# Altium PCB main.PcbDoc (continued)
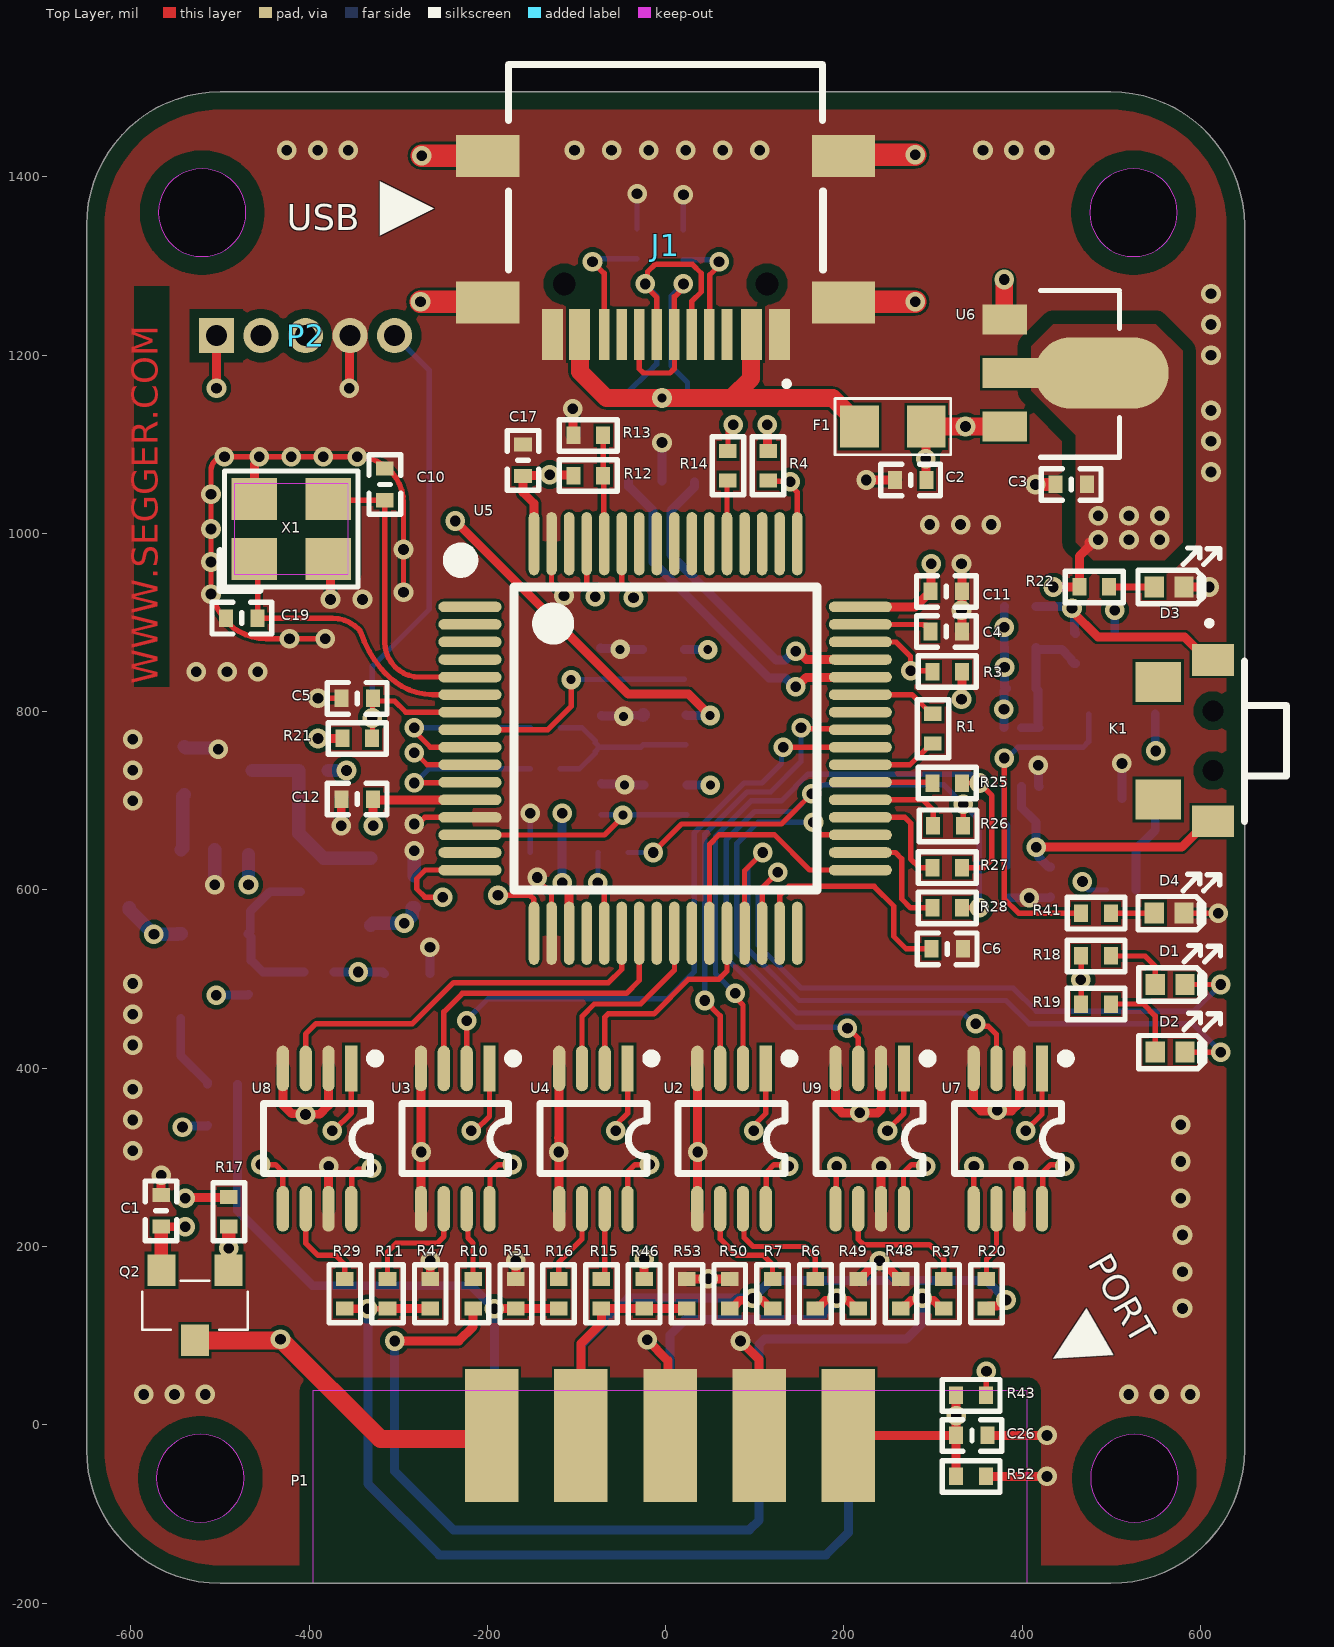
[diagram p0: Top Layer view]
## Footprints (in the part's own frame and the unit in brackets; to place one, negate y for a bottom-side part, rotate by r counter-clockwise, add the part's x,y. Pads: shape width x height; smd on the part's side, far side on the other; paste and mask are expansions set on the pad)
3225-4P [mm] "3.2*2.5*0.7mm(长宽高)"
  rect 1.3x1.2 smd: 1(-1.05,-0.85) 2(1.05,-0.85) 3(1.05,0.85) 4(-1.05,0.85)
  silkscreen extent -2.03,-1.75 1.91,1.65, body extent -1.6,-1.25 1.6,1.25, height 0.7
C0402 [mm] "无极性贴片电容"
  rect 0.4x0.5 smd: 1(-0.45,0) 2(0.45,0)
  silkscreen extent -0.85,-0.45 0.85,0.45, body extent -0.5,-0.26 0.5,0.26, height 0.54
C0603 [mil] "无极性贴片电容"
  rect 30x30 smd: 1(-25.59,0) 2(25.59,0)
  silkscreen extent -51,-26 51,26, body extent -31,-16 32,16, height 33
FUSE_0805 [mm] "贴片保险电阻0805封装"
  rect 1.1x1.2 smd paste-2: 1(-0.95,0) 2(0.95,0)
  silkscreen extent -1.65,-0.8 1.65,0.8, body extent -1.07,-0.67 1.08,0.68, height 0.66
HDR-1.27-1X5 [mm] "Connector; Header; 5 Position"
  rect 1x1 hole 0.6: 1(0,0)
  round 1 hole 0.6: 2(1.27,0) 3(2.54,0) 4(3.81,0) 5(5.08,0)
  body extent -0.81,-1.1 5.92,1.1, height 2.48
IDC10P-2R54-WS [mil]
  rect 60x149.61 smd: 1(-205,0) 3(-105,0) 5(-5,0) 7(95,0) 9(195,0)
  rect 60x149.61 smd far side: 2(-205,0) 4(-105,0) 6(-5,0) 8(95,0) 10(195,0)
  body extent -405,-50 395,429, height 168
LED-0402 [mm]
  rect 0.55x0.6 smd: A(-0.425,0) C(0.425,0)
  silkscreen extent -0.89,-0.48 1.44,1.11, body extent -0.5,-0.25 0.51,0.25, height 0.45
LQFP64-0R5-10X10 [mm] "64脚，体宽10x10mm，脚距0.5mm"
  oval 0.3x1.8 smd: 1(-3.75,-5.575) 2(-3.25,-5.575) 3(-2.75,-5.575) 4(-2.25,-5.575) 5(-1.75,-5.575) 6(-1.25,-5.575) 7(-0.75,-5.575) 8(-0.25,-5.575) 9(0.25,-5.575) 10(0.75,-5.575) 11(1.25,-5.575) 12(1.75,-5.575) 13(2.25,-5.575) 14(2.75,-5.575) 15(3.25,-5.575) 16(3.75,-5.575) 33(3.75,5.55) 34(3.25,5.55) 35(2.75,5.55) 36(2.25,5.55) 37(1.75,5.55) 38(1.25,5.55) 39(0.75,5.55) 40(0.25,5.55) 41(-0.25,5.55) 42(-0.75,5.55) 43(-1.25,5.55) 44(-1.75,5.55) 45(-2.25,5.55) 46(-2.75,5.55) 47(-3.25,5.55) 48(-3.75,5.55)
  oval 1.8x0.3 smd: 17(5.55,-3.75) 18(5.55,-3.25) 19(5.55,-2.75) 20(5.55,-2.25) 21(5.55,-1.75) 22(5.55,-1.25) 23(5.55,-0.75) 24(5.55,-0.25) 25(5.55,0.25) 26(5.55,0.75) 27(5.55,1.25) 28(5.55,1.75) 29(5.55,2.25) 30(5.55,2.75) 31(5.55,3.25) 32(5.55,3.75) 49(-5.55,3.75) 50(-5.55,3.25) 51(-5.55,2.75) 52(-5.55,2.25) 53(-5.55,1.75) 54(-5.55,1.25) 55(-5.55,0.75) 56(-5.55,0.25) 57(-5.55,-0.25) 58(-5.55,-0.75) 59(-5.55,-1.25) 60(-5.55,-1.75) 61(-5.55,-2.25) 62(-5.55,-2.75) 63(-5.55,-3.25) 64(-5.55,-3.75)
  silkscreen extent -5.33,-6.09 4.32,4.32, body extent -5.98,-5.96 6.03,6.05, height 1.45
R0402 [mm] "1/16W贴片电阻"
  rect 0.4x0.5 smd: 1(-0.4,0) 2(0.45,0)
  silkscreen extent -0.8,-0.45 0.85,0.45, body extent -0.5,-0.25 0.5,0.25, height 0.3
SOT23-3 [mm] "贴片MOS的SOT-23封装"
  rect 0.9x0.8 smd: 1(1,-0.95) 2(1,0.95) 3(-1,0)
  silkscreen extent -0.7,-1.5 0.7,1.5, body extent -1.25,-1.5 1.25,1.5, height 1.09
SOT23-5 [mm] "SOT23, 5-Leads, Body 2.9x1.6mm, Pitch 0.95mm, IPC Medium Density"
  rect 1.05x0.6 smd: 1(-1.2,0.95) 2(-1.2,0) 3(-1.2,-0.95) 4(1.2,-0.95) 5(1.2,0.95)
  silkscreen extent -1.32,-1.55 0.3,1.93, body extent -1.4,-1.47 1.4,1.53, height 1.15
SOT23-6 [mm] "SOT-23, 6-Leads, Body 2.90x1.60mm, Pitch 0.95mm, IPC High Density"
  rect 0.9x0.6 smd: 1(-1.2,0.95) 2(-1.2,0) 3(-1.2,-0.95) 4(1.2,-0.95) 5(1.2,0) 6(1.2,0.95)
  silkscreen extent -1.32,-1.55 0.35,1.93, body extent -1.41,-1.5 1.4,1.5, height 1.15
SOT89 [mil]
  rect 34.02x50 smd: 1(-60,-54.47) 3(60,-54.47)
  oval 80x150 smd: 2(0,54.47)
  rect 34x100 smd: 2(0,-29.47)
  silkscreen extent -93,-14 94,74, body extent -90,-71 91,99, height 63
SOT323 [mm]
  rect 0.6x1 smd: 1(-0.686,-0.965) 2(0.686,-0.965) 3(0,0.965)
  silkscreen extent -1.12,-0.89 1.12,0.81, body extent -1.15,-1.07 1.05,1.17, height 1.1
SOT666 [mm]
  rect 0.475x0.3 smd: 1(-0.838,0.5) 2(-0.838,0) 3(-0.838,-0.5) 4(0.838,-0.5) 5(0.838,0) 6(0.838,0.5)
  silkscreen extent -0.9,-0.8 0.25,0.93, body extent -0.84,-0.8 0.76,0.8, height 0.59
SSOP8 [mm] "SSOP-8_L3.0-W3.0-P0.65       淘宝ID:黄晶宝石"
  rect 1.3x0.35 smd: 1(-2,0.975)
  oval 1.3x0.35 smd: 2(-2,0.325) 3(-2,-0.325) 4(-2,-0.975) 5(2,-0.975) 6(2,-0.325) 7(2,0.325) 8(2,0.975)
  silkscreen extent -2.42,-1.52 1,1.78, body extent -1.9,-1.45 2.1,1.45, height 1.2
SW4-3X6X3R5-WS [mm]
  rect 0.9x1.2 smd: 1(-2.3,0) 2(2.3,0)
  rect 1.15x1.3 smd: 3(-1.675,-1.55) 4(1.675,-1.55)
  round 0.3 hole 0.6 unplated: MH1(-0.85,0) MH2(0.85,0)
  silkscreen extent -3.4,-0.15 2.3,2.1
USB-C-16-SM [mm]
  rect 1.8x1.2 smd: 0(-5.07,0.53) 0(-5.07,-3.65) 0(5.07,0.53) 0(5.07,-3.65)
  rect 0.3x1.45 smd: A1(-3.4,1.446) A4(-2.6,1.446) A5(-1.25,1.446) A6(-0.25,1.446) A7(0.25,1.446) A8(1.25,1.446) A9(2.6,1.445) A12(3.375,1.446) B1(3.075,1.446) B4(2.3,1.446) B5(1.75,1.446) B6(0.75,1.446) B7(-0.75,1.446) B8(-1.75,1.446) B9(-2.3,1.446) B12(-3.1,1.445)
  round 0.325 hole 0.65 unplated: MH1(-2.89,0) MH2(2.89,0)
  silkscreen extent -4.5,-6.25 4.47,2.9

## Part data
C1 C5 C18 C20 C22 C24 C26: library part E01C01711, "CAP CER 0.1uF 25V X7R 0402", MPN=GCM155R71E104KE02D, Power=25V, Temperature="-55°C ~ 125°C", Tolerance=±10%, Availability="37,500 - 立即发货", Component=Standard, ComponentLink1Description=Datasheet, ComponentLink1URL=https://search.murata.co.jp/Ceramy/image/img/A01X/G101/ENG/GCM155R71E104KE02-01.pdf, Distributor=Digikey, MFG=MURATA, Part Number=E01C01711, Part Type=Ceramic, Price=0.78, Updated Time=2019/5/21
C2 C3 C25: library part E01C02000, "CAP CER 10uF 6.3V X5R 0402", MPN=GRM155R60J106ME15D, Power=6.3V, Temperature="-55°C ~ 85°C", Tolerance=±20%, Availability="1,945,937 - 立即发货", Component=Standard, ComponentLink1Description=Datasheet, ComponentLink1URL=https://www.murata.com/~/media/webrenewal/support/library/catalog/products/capacitor/mlcc/c02e.ashx?la=en-us, Distributor=Digikey, MFG=MURATA, Part Number=E01C02000, Part Type=Ceramic, Price=1.794, Updated Time=2019/5/21
C4 C6: library part E01C01942, "CAP CER 4.7uF 10V X5R 0402", MPN=GRM155R61A475MEAAD, Power=10V, Temperature="-55°C ~ 85°C", Tolerance=±20%, Availability="299,667 - 立即发货", Component=Standard, ComponentLink1Description=Datasheet, ComponentLink1URL=https://search.murata.co.jp/Ceramy/image/img/A01X/G101/ENG/GRM155R61A475MEAA-01.pdf, Distributor=Digikey, MFG=MURATA, Part Number=E01C01942, Part Type=Ceramic, Price=1.794, Updated Time=2019/5/21
C7 C8 C9 C11 C12 C16 C17 C23: library part E01C01713, "CAP CER 0.1uF 16V X7R 0402", MPN=GCM155R71C104JA55D, Power=16V, Temperature="-55°C ~ 125°C", Tolerance=±5%, Availability="366,822 - 立即发货", Component=Standard, ComponentLink1Description=Datasheet, ComponentLink1URL=https://search.murata.co.jp/Ceramy/image/img/A01X/G101/ENG/GCM155R71C104JA55-01.pdf, Distributor=Digikey, MFG=MURATA, Part Number=E01C01713, Part Type=Ceramic, Price=0.78, Updated Time=2019/5/21
C10 C19: library part E01C00842, "CAP CER 10pF 50V C0G/NP0 0402", MPN=GCM1555C1H100JA16D, Power=50V, Temperature="-55°C ~ 125°C", Tolerance=±5%, Availability="934,643 - 立即发货", Component=Standard, ComponentLink1Description=Datasheet, ComponentLink1URL=https://www.murata.com/~/media/webrenewal/support/library/catalog/products/capacitor/mlcc/c03e.ashx?la=en-us, Distributor=Digikey, MFG=MURATA, Part Number=E01C00842, Part Type=Ceramic, Price=0.78, Updated Time=2019/5/21
C21: library part E01C01812, "CAP CER 1uF 6.3V X5R 0402", MPN=GRM152R60J105ME15D, Power=6.3V, Temperature="-55°C ~ 85°C", Tolerance=±20%, Availability="1,417,448 - 立即发货", Component=Standard, ComponentLink1Description=Datasheet, ComponentLink1URL=https://search.murata.co.jp/Ceramy/image/img/A01X/G101/ENG/GRM152R60J105ME15-01.pdf, Distributor=Digikey, MFG=MURATA, Part Number=E01C01812, Part Type=Ceramic, Price=1.95, Updated Time=2019/5/21
C27: library part E01C01977, "CAP CER 10uF 16V X5R 0603", MPN=GRM188R61C106KAALD, Power=16V, Temperature="-55°C ~ 85°C", Tolerance=±10%, Availability="19,377 - 立即发货", Component=Standard, ComponentLink1Description=Datasheet, ComponentLink1URL=https://search.murata.co.jp/Ceramy/image/img/A01X/G101/ENG/GRM188R61C106KAAL-01.pdf, Distributor=Digikey, MFG=MURATA, Part Number=E01C01977, Part Type=Ceramic, Price=3.042, Updated Time=2019/5/21
D1 D4: library part E01D00051, "SMD,发光颜色:红色;功率:60mW;正向电流:5mA;主波长:617.5nm~633.5nm;", Availability=A, Component=Standard, ComponentLink1Description=Datasheet, Distributor=Mouser, MFG=MEIHUA, MPN=MHT136CRCT, Part Number=E01D00051, Part Type=LED
D2 D3: library part E01D00010, "SMD,发光颜色:翠绿色;", Availability=A, Component=Standard, ComponentLink1Description=Datasheet, Distributor=Szlcsc, MFG=YONGYU, MPN=SZYY0402G, Part Number=E01D00010, Part Type=LED
F1: library part E01F00003, "0805 0.5A 6V PTC FUSE", Power=6V, Availability=A, Component=Standard, ComponentLink1Description=Datasheet, ComponentLink1URL=https://item.szlcsc.com/343063.html, Distributor=Taobao, MFG=JK, MPN=JK-SMD0805-050, Part Number=E01F00003, Part Type=Fuse, Price=0.02
J1: library part E04C00183, "SMD,Type_C母座；16P；卧贴;", Availability=A, Component=Standard, ComponentLink1Description=Datasheet, Distributor=Assmann, MFG="SHOU HAN", MPN="TYPE-C 16P QTWT", Part Number=E04C00183, Part Type=USB, Type=Famale
K1: library part E01S00008, "SMD,轻触开关 3*6*3.5侧按 直径0.6定位柱 白体黑头", Angle=180°, Availability=A, Component=Standard, MFG="SHOU HAN(首韩)", MPN=TS36CA-0.6, Part Number=E01S00008, Part Type=Switch
P1: library part E04C00186, "SMD.2.54mm简牛座;卧贴;排数:2;每排PIN数:5", Availability=A, Component=Standard, Distributor=/, MFG=/, Part Number=E04C00186, Part Type=Headers, Pitch=2.54mm, Type=Famale
P2: library part E04C00187, "5脚排针", Availability=A, Component=Standard, Manufacture="Device Name", Part Number=E04C00187, Part Type=Headers, Sch Name="Header 5"
Q1 Q5: library part E01T00045, "SMD,预偏置NPN;集射极击穿电压(Vceo):50V;集电极电流(Ic):100mA;功率(Pd):200mW;集电极截止电流(Icbo):1uA;直流电流增益(Hfe@Ic,Vce):100@10mA,5V;", Availability=A, Component=Standard, MFG=Nexperia, MPN=PDTC143ZU, Part Number=E01T00045, Part Type=NPN, Updated Time=2024:04:06
Q2 Q4: library part E01T00044, "SMD,漏源电压(Vdss):30V;连续漏极电流(Id):1.4A;功率(Pd):350mW;导通电阻(RDS(on)@Vgs,Id):150mΩ@10V,1.2A;阈值电压(Vgs(th)@Id):1.4V@250uA", Temperature=-55℃~+150℃, Availability=A, Component=Standard, MFG=AOS, MPN=AO7401, Part Number=E01T00044, Part Type=PMOS
Q3: library part E01T00046, "SMD,类型:N沟道+P沟道;漏源电压(Vdss):30V;连续漏极电流(Id):400mA；220mA;功率(Pd):500mW;导通电阻(RDS(on)@Vgs,Id):1.4Ω@350mA,4.5V;阈值电压(Vgs(th)@Id):1.1V@250uA;", Temperature=-55℃~+150℃, Availability=A, Component=Standard, MFG=Nexperia, MPN=NX3008CBKV,115, Part Number=E01T00046, Part Type=PMOS_NMOS, Updated Time=2024:04:07
R1: library part E01R01244, "RES SMD 470 OHM 5% 1/16W 0402", MPN=RC0402JR-07470RL, Power=0.063W，1/16W, Temperature="-55°C ~ 155°C", Tolerance=±5%, Availability="2,916,978 - 立即发货", Component=Standard, ComponentLink1Description=Datasheet, ComponentLink1URL=http://www.yageo.com/documents/recent/PYu-RC_Group_51_RoHS_L_10.pdf, Distributor=Digikey, MFG=Yageo, Part Number=E01R01244, Part Type=RES, Price=0.78, Updated Time=2019/5/21
R2 R12 R13 R17 R21 R44 R45: library part E01R01984, "RES SMD 10K OHM 1% 1/16W 0402", MPN=RC0402FR-0710KL, Power=0.063W，1/16W, Temperature="-55°C ~ 155°C", Tolerance=±1%, Availability="92,091,353 - 立即发货", Component=Standard, ComponentLink1Description=Datasheet, ComponentLink1URL=http://www.yageo.com/documents/recent/PYu-RC_Group_51_RoHS_L_10.pdf, Distributor=Digikey, MFG=Yageo, Part Number=E01R01984, Part Type=RES, Price=0.78, Updated Time=2019/5/21
R3 R4 R8 R9 R18 R19 R22 R39 R40 R46 R47 R48 R49 R50 R51 R52 R53: library part E01R01430, "RES SMD 1K OHM 1% 1/16W 0402", MPN=RC0402FR-071KL, Power=0.063W，1/16W, Temperature="-55°C ~ 155°C", Tolerance=±1%, Availability="68,900,848 - 立即发货", Component=Standard, ComponentLink1Description=Datasheet, ComponentLink1URL=http://www.yageo.com/documents/recent/PYu-RC_Group_51_RoHS_L_10.pdf, Distributor=Digikey, MFG=Yageo, Part Number=E01R01430, Part Type=RES, Price=0.78, Updated Time=2019/5/21
R5: library part E01R00720, "RES SMD 51 OHM 1% 1/16W 0402", MPN=RC0402FR-0751RL, Power=0.063W，1/16W, Temperature="-55°C ~ 155°C", Tolerance=±1%, Availability="2,118,531 - 立即发货", Component=Standard, ComponentLink1Description=Datasheet, ComponentLink1URL=http://www.yageo.com/documents/recent/PYu-RC_Group_51_RoHS_L_10.pdf, Distributor=Digikey, MFG=Yageo, Part Number=E01R00720, Part Type=RES, Price=0.78, Updated Time=2019/5/21
R6 R7 R10 R11 R15 R16 R20 R29 R37: library part E01R00875, "RES SMD 100 OHM 5% 1/16W 0402", MPN=RC0402JR-07100RL, Power=0.063W，1/16W, Temperature="-55°C ~ 155°C", Tolerance=±5%, Availability="7,389,562 - 立即发货", Component=Standard, ComponentLink1Description=Datasheet, ComponentLink1URL=http://www.yageo.com/documents/recent/PYu-RC_Group_51_RoHS_L_10.pdf, Distributor=Digikey, MFG=Yageo, Part Number=E01R00875, Part Type=RES, Price=0.78, Updated Time=2019/5/21
R14 R23 R24 R25 R26 R27 R28 R33: library part E01R00510, "RES SMD 22 OHM 1% 1/16W 0402", MPN=RC0402FR-0722RL, Power=0.063W，1/16W, Temperature="-55°C ~ 155°C", Tolerance=±1%, Availability="30,606,384 - 立即发货", Component=Standard, ComponentLink1Description=Datasheet, ComponentLink1URL=http://www.yageo.com/documents/recent/PYu-RC_Group_51_RoHS_L_10.pdf, Distributor=Digikey, MFG=Yageo, Part Number=E01R00510, Part Type=RES, Price=0.78, Updated Time=2019/5/21
R30 R31 R32 R34 R35 R36: library part E01R01988, "RES SMD 10.2K OHM 1% 1/16W 0402", MPN=RC0402FR-0710K2L, Power=0.063W，1/16W, Temperature="-55°C ~ 155°C", Tolerance=±1%, Availability="894,412 - 立即发货", Component=Standard, ComponentLink1Description=Datasheet, ComponentLink1URL=http://www.yageo.com/documents/recent/PYu-RC_Group_51_RoHS_L_10.pdf, Distributor=Digikey, MFG=Yageo, Part Number=E01R01988, Part Type=RES, Price=0.78, Updated Time=2019/5/21
R38 R54: library part E01R00242, "RES SMD 5.1 OHM 1% 1/16W 0402", MPN=RC0402FR-075R1L, Power=0.063W，1/16W, Temperature="-55°C ~ 155°C", Tolerance=±1%, Availability="534,181 - 立即发货", Component=Standard, ComponentLink1Description=Datasheet, ComponentLink1URL=http://www.yageo.com/documents/recent/PYu-RC_Group_51_RoHS_L_10.pdf, Distributor=Digikey, MFG=Yageo, Part Number=E01R00242, Part Type=RES, Price=0.78, Updated Time=2019/5/21
R41: library part E01R02470, "RES SMD 75K OHM 1% 1/16W 0402", MPN=RC0402FR-0775KL, Power=0.063W，1/16W, Temperature="-55°C ~ 155°C", Tolerance=±1%, Availability="1,615,244 - 立即发货", Component=Standard, ComponentLink1Description=Datasheet, ComponentLink1URL=http://www.yageo.com/documents/recent/PYu-RC_Group_51_RoHS_L_10.pdf, Distributor=Digikey, MFG=Yageo, Part Number=E01R02470, Part Type=RES, Price=0.78, Updated Time=2019/5/21
R42: library part E01R02353, "RES SMD 47K OHM 1% 1/16W 0402", MPN=RC0402FR-0747KL, Power=0.063W，1/16W, Temperature="-55°C ~ 155°C", Tolerance=±1%, Availability="11,379,951 - 立即发货", Component=Standard, ComponentLink1Description=Datasheet, ComponentLink1URL=http://www.yageo.com/documents/recent/PYu-RC_Group_51_RoHS_L_10.pdf, Distributor=Digikey, MFG=Yageo, Part Number=E01R02353, Part Type=RES, Price=0.78, Updated Time=2019/5/21
R43: library part E01R01818, "RES SMD 5.1K OHM 1% 1/16W 0402", MPN=RC0402FR-075K1L, Power=0.063W，1/16W, Temperature="-55°C ~ 155°C", Tolerance=±1%, Availability="3,777,303 - 立即发货", Component=Standard, ComponentLink1Description=Datasheet, ComponentLink1URL=http://www.yageo.com/documents/recent/PYu-RC_Group_51_RoHS_L_10.pdf, Distributor=Digikey, MFG=Yageo, Part Number=E01R01818, Part Type=RES, Price=0.78, Updated Time=2019/5/21
U1: library part E02P00418, "SMD,USB 2.0高速接口的ESD保护;极性:单向;反向截止电压(Vrwm):5.25V;最大钳位电压:17V;峰值脉冲电流(Ipp)@10/1000us:5A;击穿电压:6V;", Temperature=-40℃~+125℃, Availability=A, Component=Standard, Distributor=ST, MFG=ST, MPN=USBLC6-2SC6, Part Number=E02P00418, Part Type=Interface, Updated Time=2024:04:07
U2 U3 U4 U7 U8 U9: library part E02P00290, "SMD,数据速率:420Mbps;电压(VCCA):1.2V~5.5V;电压(VCCB):1.2V~5.5V;通道数:2;", MPN=74LVC2T45, Temperature=-40℃~+125℃, Availability=A, Component=Standard, Distributor=TI, MFG=TI, Part Number=E02P00290, Part Type=Logic, Updated Time=2024:04:06
U5: library part E02P00420, "SMD,CPU内核:CM3;程序存储容量:512KB;RAM:128KB;GPIO端口数量:51;", Power=1.8V~3.6V, Temperature=-40℃~+85℃, Availability=A, Component=Standard, Distributor=ST, MFG=ST, MPN=STM32F205RET6, Part Number=E02P00420, Part Type=Microcontroller, Updated Time=2024:04:07
U6: library part E02P00421, "SMD,输出类型:固定;最大输入电压:8V;输出电压:3.3V;最大输出电流:400mA;电源纹波抑制比(PSRR):-;输出极性:正极;", MPN=XC6206, Power="8.0V MAX", Temperature=-40℃～85℃, Availability=A, Component=Standard, MFG=TOREX, Part Number=E02P00421, Part Type=LDO, Updated Time=2024:04:08
U10: library part E02P00417, "SMD,高电平有效的 0.5A 负载、2.7-5.5V、70mΩ USB 电源开关。", MPN=TPS2051, Power=1V~5.5V, Temperature=-40℃~+85℃, Availability=A, Component=Standard, Distributor=TI, MFG=TI, Part Number=E02P00417, Part Type=DigitalSW, Updated Time=2024:04:07
U11: library part E02P00415, "SMD,低功耗单路运算放大器;支持共模输入电压范围为VDD+300mV至VSS-300mV的轨到轨输入和输出摆幅", MPN=MCP6001T, Power=1.8V~6V, Temperature=-40℃~+85℃, Availability=A, Component=Standard, MFG=MICROCHIP, Part Number=E02P00415, Part Type=AMP, Updated Time=2024:04:06
X1: library part E01X00040, "SMD,频率:12MHz;常温频差:±10ppm;外接负载电容:20pF;频率稳定度(全温):±20ppm;", Tolerance=±20ppm, Availability=A, Component=Standard, MFG=YXC, MPN=X322512MSB4SI, Part Number=E01X00040, Part Type=OSC

## Via types
v1: diameter 22, hole 12, Top Layer to Bottom Layer, tented both sides, 207 vias
v2: diameter 22, hole 10, Top Layer to Bottom Layer, tented both sides, 9 vias

## Nets (pads, with @x,y where several pads share a name; then routed paths per layer and width w, separated by ;. In a path a pad name is that pad's centre, name@x,y a point inside that pad or via, vN(x,y) a via of type N, cw(c..) or ccw(c..) an arc to the next point about the centre after c; other vN are vias at no path point)
3V3_CORE: C3.1 C11.1 C12.1 C16.1 C17.1 C20.1 C21.1 C22.1 P2.1 Q3.1 R3.2 R4.2 R12.1 R18.1 R19.1 R21.2 R22.1 R39.2 U2.1 U3.1 U4.1 U5.12 U5.19 U5.48 U5.64 U6.2 U7.1 U8.1 U9.1 U10.5 | length 2449.7
  Top Layer w6: v1(-374,330) -372.63,330 -352.61,350.01 U8.1 ; v1(-218,330) -213.67,330 -197.61,346.06 U3.1 ; v1@-56,336 -42.61,349.39 U4.1 ; v1@99,336 112.39,349.39 U2.1 ; v1@249,331 267.39,349.39 U9.1 ; v1(404,330) 422.39,348.39 U7.1 ; R19.1@466.12,471.87 R19.1 R18.1
  Top Layer w10: P2.1 -504,1163.12 v1(-503.85,1162.97) ; v1(-390,770) R21.2 ; C12.1 -326.31,702 -325.41,701.1 U5.12 ; C12.1@-328.14,701.86 -328.14,672.14 v1(-328,672) ; U5.64 -147.64,1033.64 -160,1046 C17.1 -159.14,1065.14 -130.86,1065.14 v1(-130,1066) -129.5,1065.5 -101.5,1065.5 R12.1@-101.15,1065.14 ; v1(-116,608) -108.27,600.27 U5.19 ; v1(114,1122) 114.5,1121.5 114.5,1093.21 R4.2 ; U5.48 279.92,917.64 297.64,935.36 297.64,965.64 v1(298,966) ; v1(332,814) 332.36,814.36 332.36,844.64 R3.2 ; v1(435,940) R22.1 464.25,974.25 475,985 v1@475,990
  POWER w6: v1(-374,330) v1(-218,330) v1(-56,330) v1(99,330) 99.5,330.5 403.5,330.5 v1(404,330) 466,392 466,499.25 v1(465.89,499.35)
  Bottom Layer w10: C16.1 -116.14,642.14 -116.14,685.86 v1(-116,686) ; v1(-116,608) C16.1@-116,641.72 ; Q3.1 v1(379.6,802.65) 379.6,823.31 R39.2 380.28,828 v1(380.28,850) C22.1 ; C22.1@379.94,872 v1(379.94,894.83) 379.94,917.66 C21.1 ; C20.1 v1(504,914) ; U10.5 549.4,756.6 v1(550,756)
  other v1: 249,330 485.5,993 520,993 554.5,993 485.5,1020 520,1020 554.5,1020
+5V: C1.1 C2.1 C23.1 C25.1 F1.2 Q2.2 Q4.2 R17.2 R31.2 R44.2 U6.3 U11.5 | length 835.5
  Top Layer w10: C1.1 -565.86,222.14 -539.14,222.14 v1(-539,222) ; v1(-539,254) -538.14,254.86 -490.85,254.86 R17.2 ; v1(-236,1014) -41.71,819.71 26,819.71 v2(50,795.71) ; F1.2 292,1119.6 v1(292,1084) 292.36,1083.64 292.36,1060.36 C2.1
  Top Layer w15: C1.1 -565.7,221.98 -565.7,173.67 Q2.2
  Top Layer w20: F1.2 v1(336.47,1120) U6.3
  Bottom Layer w10: R31.2 23.71,795.71 v2(50,795.71) v2@52,797.72
  Bottom Layer w15: C23.1@-602.03,580.28 -601.66,579.91 -601.66,577.94 v1(-574.09,550.38) -547.71,550.38 -547.33,550.76 U11.5@-543.4,550.76 ; R44.2 v1(-358,734) ; Q4.2 -328.67,562.56 v1(-293.13,562.56) -284.34,571.34 -284.34,579.91 -283.97,580.28 C25.1
BOOT0: R12.2 R13.2 U5.60 | length 122
  Top Layer w6: R13.2 R12.2 -69.45,1064.45 -69.45,989.06 U5.60
GND: C1.2 C2.2 C3.2 C4.2 C5.1 C6.2 C7.2 C8.2 C9.2 C10.2 C11.2 C12.2 C16.2 C17.2 C18.2 C19.2 C20.2 C23.2 C24.2 C25.2 C26.2 C27.2 D3.C D4.C J1.0 J1.A1 J1.A12 J1.B1 J1.B12 P1.3 P1.5 P2.4 Q1.2 Q3.4 Q5.2 R8.1 R9.1 R13.1 R34.1 R35.1 R36.1 R45.1 R47.1 R48.1 R49.1 R50.1 R51.1 R52.1 R53.1 U1.2 U2.4 U2.5 U3.4 U3.5 U4.4 U4.5 U5.13 U5.18 U5.63 U6.1 U7.2 U7.4 U7.7 U8.2 U8.4 U8.7 U9.2 U9.4 U9.7 U10.2 U11.2 X1.2 X1.4 | length 3810.9
  Top Layer w6: C19.2@-496.59,905.49 ccw(c-448,944) -448,882 v1(-422,882) v1(-382,882) ; C19.2 -497.08,906.91 -498.02,908.12 cw(c-450.28,944) -510,944 v1(-510,968) v1(-510,1005) v1(-510,1044) -510,1071 cw(c-495,1071) v1(-495,1086) v1(-456,1086) ; v1(-420,1086) v1(-456,1086) ; v1(-390,815) C5.1 ; v1(-294,934) v1(-294,982) -294,1034 ccw(c-346,1034) v1(-346,1086) v1(-384,1086) v1(-456,1086) ; v1(-282,674) -277.67,674 -270.25,681.42 U5.13 ; v1(-144,614) -144,611.96 -127.95,595.91 U5.18 ; U5.63 -127.95,944.07 -114,930.12 v1(-114,930) ; v1(-104,1140) v1@-103.73,1139.73 ; R13.1@-103.73,1110.27 R13.1 ; D4.C v1(620,574)
  Top Layer w10: C1.2 v1(-566,280) ; X1.4 -461.34,1077.41 -456,1082.75 v1(-456,1086) ; U8.4 -429.39,358.9 -419.38,348.9 -404.9,348.9 v1(-404,348) -403.65,348.35 -388.07,348.35 -378.2,358.21 U8.2 ; X1.2 -376,968.87 v1(-376,926) ; U8.7 -378.1,242.36 -378.1,289.9 v1(-378,290) ; v1(-364,672) -363.86,672.14 -363.86,701.86 C12.2 ; v1@-355,1162 -354.5,1162.5 -354.5,1221.5 P2.4 ; U3.5 -274.19,242.45 -274.19,305.81 v1(-274,306) -274.19,306.19 -274.19,399.55 U3.4 ; R47.1 v1(-264,184) ; R51.1 v1(-168,184) ; U4.5 -119.69,242.57 -119.69,321.69 -120,322 -119.69,322.31 -119.69,399.43 U4.4 ; R13.1@-103.73,1110.27 v1@-103.73,1139.73 ; v1(-20.73,95.27) 2.59,71.95 2.59,-9.59 P1.5 ; R53.1 v1(48,163.71) R50.1 ; U2.5 35.81,242.45 35.81,321.81 36,322 35.81,322.19 35.81,399.55 U2.4 ; v1(84,94) 105,73 P1.3 ; U9.4 190.61,357.39 198,350 v1(218,350) 238,350 242,354 242,399.54 U9.2 ; R49.1 217.97,163.71 238.25,184 v1(240,184) 241.74,184 262.03,163.71 R48.1 ; v1(225,1060) C2.2 ; U9.7 241.9,242.36 241.9,289.9 v1(242,290) ; v1(332,966) 332.36,965.64 332.36,935.35 C11.2 332.36,934.64 332.36,914.36 v1(332,914) 332.36,913.64 332.36,890.35 C4.2 ; U7.4 345.61,360.39 354,352 371,352 v1(372,353) ; R52.1 v1(428,-58) ; C26.2 v1(428,-12) ; v1@372.14,352.14 388.14,352.14 396.8,360.8 U7.2 ; v1@396,292 396.4,291.6 396.4,242.66 U7.7 ; D3.C v1(610,940)
  Top Layer w15: v1(415,1055) C3.2
  Top Layer w20: U6.1@380,1240.53 v1(380,1285)
  Top Layer w25: v1(-275,1260) J1.0@-200.91,1260 ; v1(-273.7,1423.7) J1.0@-199.61,1423.7 ; J1.0@205.91,1260 v1(280,1260) ; J1.0@205.91,1425 v1(280,1425)
  Bottom Layer w6: v1(-152,686) -151.71,685.71 C16.2 ; R8.1 -32,1366 v1(-32,1381) ; R9.1 v1(20,1380)
  Bottom Layer w10: C27.2 v1(-264.41,535.59) v1@-264,536 ; C7.2 -72.15,870.86 -51.86,870.86 v2(-51,870) -50.88,869.88 -26.12,869.88 R34.1 ; C9.2 -71.15,718.86 -46.86,718.86 v2(-46,718) -45.88,717.88 -24.12,717.88 R36.1 ; C8.2 -71.5,795.21 -47.5,795.21 v2(-47,794.71) ; v2@-43.73,796.09 R35.1@-25.37,796.09 ; U1.2 v1(-4,1102) ; C24.2 384.98,591.27 v1(408,591.27) 431.02,591.27 R45.1 ; v1(418,740) 418.49,739.51 418.49,716.49 Q3.4 ; U10.2 v1(512,742)
  Bottom Layer w15: Q5.2 -538.34,759.34 -503.34,759.34 v1(-502,758) ; v1(-506,606) U11.2@-506,645.24 ; C25.2 v1(-282,644) ; v2(-47,794.71) -45.11,794.71 v2@-43.73,796.09 ; R35.1@-25.37,796.09 R35.1
  other v1: -585.5,34 -551,34 -516.5,34 519.5,34 554,34 588.5,34 580,130.5 580,171.7 580,212.9 578,254.1 396,290 578,295.3 -120,306 36,306 -598,307.5 578,336.5 -598,342 -598,376.5 -598,426 -598,460.5 -598,495 -598,700 -598,734.5 -598,769 -526.5,845 -492,845 -457.5,845 -340,926 -510,932 296.5,1010 331,1010 365.5,1010 612,1069 612,1103.5 612,1138 -355,1162.97 612,1200 612,1234.5 612,1269 -424.9,1430 -390.4,1430 -355.9,1430 -102.2,1430 -60.6,1430 -19,1430 22.6,1430 64.2,1430 105.8,1430 356.1,1430 390.6,1430 425.1,1430
MCU_N: U1.3 U5.44 | length 396.7
  Top Layer w10: v1(146,828) 147.28,828 157.86,838.58 U5.44@218.19,838.58
  Bottom Layer w10: U1.3 -41.4,1052.85 -14,1025.45 -14,968 116,838 134.14,838 144.14,828 v1(146,828)
MCU_P: U1.1 U5.45 | length 361.9
  Top Layer w10: v1(146,868) 148.44,868 157.86,858.58 U5.45
  Bottom Layer w10: U1.1@32.4,1057.76 32.4,1051.85 6,1025.45 6,976.28 124.28,858 134.14,858 144.14,868 v1(146,868)
MCU_RST: C5.2 P2.5 R21.1 U5.7 | length 632.2
  Top Layer w6: R21.1 -328.76,770.49 -328.76,814.51 C5.2 -325.27,812 -304,812 -291.53,799.53 U5.7
  Bottom Layer w6: v1(-329,793) -329,851 -265,915 -265,1183 P2.5
MCU_SWCLK: P2.3 R4.1 U5.49 | length 834.2
  Top Layer w6: R4.1 115.63,1058.62 139.38,1058.62 v1(140,1058) 140,1054.12 147.64,1046.49 U5.49
  GND w6: P2.3 -404,1262 -379,1287 -205.5,1287 -98.5,1180 98,1180 140,1138 v1(140,1058)
MCU_SWDIO: P2.2 R3.1 U5.46 | length 1196
  Top Layer w6: U5.46 258.73,878.27 274.86,862.14 274.86,846.14 v1(275,846) 298.25,846 R3.1
  GND w6: P2.2 -454,1257 -401,1310 -190,1310 -84,1204 111.49,1204 168,1147.49 168,1039 275,932 v1(275,846)
nCTL1: U5.10 U8.5 | length 729.3
  Top Layer w6: v1(-454,292) -453.86,291.86 -437.86,291.86 -429.69,283.69 -429.69,242.57 U8.5 ; v1(-282.1,754.1) -281.08,754.1 -267.45,740.47 U5.10
  GND w6: v1(-454,292) -454,476 -412,518 -412,724 -384,752 -284.2,752 v1(-282.1,754.1)
nCTL3: U5.16 U9.5 | length 770.8
  Top Layer w6: v1(-250,592) -270.12,592 -279.18,601.06 -279.18,612.82 -269.64,622.36 U5.16 ; U9.5@190.99,245.36 191.31,245.68 191.31,289.31 v1(192,290)
  GND w6: v1(-250,592) -226,568 -226,542 -201,517 -169,517 -34,382 160,382 192,350 v1(192,290)
nCTL4: U5.17 U7.5 | length 895.9
  Top Layer w6: v1(-188,594) -152,594 -147.87,589.87 -147.87,551.73 U5.17 ; U7.5@344.99,245.36 345.81,246.18 345.81,289.81 v1(346,290)
  GND w6: v1(-188,594) -214,568 -214,548 -196,530 -163.27,530 -29.27,396 320,396 346,370 v1(346,290)
nDAT01: R1.2 U5.43 | length 90.4
  Top Layer w6: U5.43 276.54,819.21 298.03,797.71 R1.2
nDAT02: U2.3 U5.41 | length 517.1
  Top Layer w6: v1(44,476) 61.2,458.8 U2.3 ; v1(152,782) 153.08,780.92 217.43,780.92 U5.41
  Bottom Layer w6: v1(44,476) 44,662.67 91.33,710 118,710 152,744 v1(152,782)
nDAT03: U3.3 U5.23 | length 350.4
  Top Layer w6: U3.3 -248.8,463.2 -228,484 -44,484 -29.53,498.47 U5.23
nDAT04: U3.2 U5.40 | length 723.5
  Top Layer w6: U3.2 v1(-223.2,453.2) ; v1(132,760) 132.08,760.08 218.43,760.08 U5.40
  Bottom Layer w6: v1(-223.2,453.2) -223.2,454 -199.2,478 2,478 32,508 32,664 88,720 108,720 130,742 130,758 v1(132,760)
nDAT05: R1.1 U5.39 | length 88.9
  Top Layer w6: U5.39 274.26,740.47 R1.1@297.67,763.89
nDAT06: U5.35 U7.3 | length 647.7
  Top Layer w6: v1(166,676) 169.06,672.94 169.06,667.12 174.32,661.87 218.37,661.87 U5.35 ; v1(348,450) 351.06,446.94 362.27,446.94 371.2,438 U7.3
  Bottom Layer w6: v1(166,676) 104,676 80,652 80,529.33 147.33,462 333.72,462 345.72,450 v1(348,450)
nDAT07: U5.22 U8.3 | length 463.8
  Top Layer w6: U8.3 -403.8,438.2 -392,450 -284,450 -238,496 -64,496 -49.21,510.79 U5.22
nDAT08: R26.2 R28.2 R33.1 U9.3 | length 1053.1
  Top Layer w6: v1(-14,642) 18,674 130,674 v1(164,708) ; v1(204,445) 205,445 216.2,433.8 U9.3 ; R28.2 v1(352,580) ; R26.2 333.86,672.14 333.86,696.01 v1(334,696.15)
  Bottom Layer w6: R33.1 v1(-14,642) ; v1(204,445) 203,446 146,446 68,524 68,656 100,688 144,688 v1(164,708) 165.51,708 175.51,718 312.15,718 v1(334,696.15) 352,678.15 v1(352,580)
nDAT09: U5.27 U5.33 | length 289.9
  Top Layer w6: U5.27 49.21,651.21 60,662 122,662 161.64,622.36 U5.33
nDAT10: U4.2 U5.28 | length 258.7
  Top Layer w6: U4.2 -68.2,457.49 -64.69,461 -13,461 26,500 60,500 68.9,508.9 U5.28
nDAT11: R14.2 R25.2 R27.2 U2.2 | length 1420.9
  Top Layer w6: R14.2 70,1116 v1(76,1122) ; v1(78,484) 78,479.67 86.8,470.88 U2.2 ; R27.2 357,625 366,634 366,706 v1(352,720) R25.2
  GND w6: v1(76,1122) 76,486 v1(78,484)
  Bottom Layer w6: v1(78,484) 56,506 56,660 96,700 130,700 160,730 342,730 v1(352,720)
nDAT12: U4.3 U5.25 | length 225.3
  Top Layer w6: U4.3 -93.8,458.2 -80,472 -28,472 10,510 10,551.34 U5.25
NetC4_1: C4.1 U5.47 | length 83.2
  Top Layer w6: U5.47 288.89,897.95 290.01,896.84 292.41,896.84 297.28,891.97 C4.1
NetC6_1: C6.1 U5.31 | length 265.9
  Top Layer w6: U5.31 128.03,551.57 128.03,594.03 138,604 234,604 256,582 256,548 270,534 C6.1
NetC18_1: C18.1 R38.1 U10.1 | length 112.1
  Bottom Layer w10: R38.1 527.75,644.03 C18.1 529.72,647.97 532.59,650.84 533.16,650.84 549.4,667.09 U10.1
NetC21_2: C21.2 K1.1 R42.1 | length 256.9
  Top Layer w10: v1(456,916.16) 456,912.91 484.91,884 582.11,884 608.09,858.02 K1.1
  Bottom Layer w10: C21.2 454.16,918 v1(456,916.16) ; v1@456,918 456,912.91 458.91,910.01 458.91,888.85 R42.1
NetC22_2: C22.2 Q3.2 Q3.3 R39.1 R42.2 | length 163
  Bottom Layer w10: Q3.2 Q3.3 418.07,782.89 418.07,823.68 R39.1 C22.2@415.75,870 ; C22.2 415.71,870.03 C22.2@415.75,870 ; R42.2 458.03,854.29 455.16,857.16 455.16,859.13 444.29,870 C22.2@415.75,870
NetC24_1: C24.1 Q3.6 R40.2 R41.2 U10.4 | length 508.2
  Top Layer w6: v1(380,748) 380,590 396,574 R41.2
  Bottom Layer w6: C24.1 384,672.28 R40.2 379.6,676.68 Q3.6 379.8,716.2 379.8,747.8 v1(380,748) 383.09,748 395.09,760 468.14,760 474.6,766.46 U10.4
NetD1_A: D1.A R18.2 | length 75
  Top Layer w6: R18.2 538,526 549.27,514.73 D1.A
NetD2_A: D2.A R19.2 | length 95.8
  Top Layer w6: R19.2 536,472 549.27,458.73 D2.A
NetD3_A: D3.A R22.2 | length 50.6
  Top Layer w8: R22.2 D3.A
NetD4_A: D4.A R41.1 | length 48.5
  Top Layer w6: R41.1 D4.A
NetJ1_A5: J1.A5 R9.2 | length 127.3
  Top Layer w6: J1.A5 49.61,1223.46 49.61,1290.28 60,1300.67 v1(60,1305)
  Bottom Layer w6: R9.2 57.71,1307.29 v1(60,1305)
NetJ1_B5: J1.B5 R8.2 | length 138.7
  Top Layer w6: v1(-82,1305) -68.9,1291.9 J1.B5
  Bottom Layer w6: v1(-82,1305) -77.67,1305 -74.38,1308.29 R8.2
NetK1_2: K1.2 Q3.5 R40.1 R45.2 | length 314.9
  Top Layer w10: v1(416,648) 579.18,648 608.09,676.91 K1.2
  Bottom Layer w10: Q3.5@399.19,715.91 399.19,692.53 412.88,678.84 415.75,675.97 415.75,650.25 418.3,647.7 418.3,637.45 430.03,625.71 R45.2
NetQ1_3: Q1.3 R5.1 | length 86.5
  Bottom Layer w10: Q1.3 -544,414.22 -513.75,383.97 R5.1
NetQ4_1: Q4.1 Q5.3 R44.1 | length 215.4
  Bottom Layer w15: Q5.3 R44.1 -411.75,663.75 -383.4,635.4 Q4.1
NetQ4_3: Q4.3 R54.2 U11.4 | length 188
  Bottom Layer w10: Q4.3 -444,598 -466,576 -466,553.35 -468.6,550.76 -464.94,547.1 -464.94,520.94 -452,508 R54.2
NetQ5_1: Q5.1 U11.1 | length 63.2
  Bottom Layer w15: U11.1@-543.4,645.24 -541.7,646.94 -541.7,705.3 Q5.1
NetR6_1: R6.1 U2.7 | length 146.2
  Top Layer w6: U2.7 88,241.06 88,210 98,200 156,200 168,188 R6.1
NetR7_1: R7.1 U2.6 | length 120.5
  Top Layer w6: U2.6 61.2,208.8 80,190 110,190 120,180 R7.1
NetR10_1: R10.1 U3.7 | length 81.5
  Top Layer w6: U3.7 -221.72,240.77 -221.72,209.72 -216,204 R10.1
NetR11_1: R11.1 U3.6 | length 131.7
  Top Layer w6: R11.1 -312,194 -302,204 -256,204 -248.85,211.15 -248.85,242.2 U3.6
NetR15_1: R15.1 U4.7 | length 80.1
  Top Layer w6: R15.1 -68.2,167.51 U4.7
NetR16_1: R16.1 U4.6 | length 89.4
  Top Layer w6: R16.1 -120,182 -93.8,208.2 U4.6
NetR20_1: R20.1 U7.6 | length 83.2
  Top Layer w6: R20.1 360,186 371.2,197.2 U7.6
NetR29_1: R29.1 U8.6 | length 108.4
  Top Layer w6: U8.6 -403.8,203.8 -390,190 -370,190 -360,180 R29.1
NetR37_1: R37.1 U9.6 | length 161.6
  Top Layer w6: U9.6 216.2,207.8 222,202 296,202 312,186 R37.1
nPWR: Q2.1 R17.1 U5.59 | length 1192.5
  Top Layer w6: U5.59 -49.21,943.07 -36,929.86 v1(-36,928)
  Top Layer w15: Q2.1 -490.3,173.67 -490.3,221.95 R17.1
  GND w6: v1(-490,198) -490,468 -426,532 -426,810 -394,842 -142,842 -58.04,925.96 -38.04,925.96 v1(-36,928)
nSRST: Q1.1 U5.61 | length 869.4
  Top Layer w6: U5.61 -88.58,942 -79.02,932.44 v1(-79.02,929.02)
  GND w6: v1(-504,482) -442.47,543.53 -442.47,813.53 -400,856 -150,856 -79.02,926.98 v1(-79.02,929.02)
  Bottom Layer w10: v1(-504,482) -469,482 Q1.1
OSC_IN: C10.1 U5.5 X1.3 | length 341.3
  Top Layer w6: X1.3 -377.48,1037.28 C10.1 -315,1032.41 -315,894 -315,877.9 ccw(c-276,877.9) -276,838.9 U5.5
OSC_OUT: C19.1 U5.6 X1.1 | length 344.7
  Top Layer w6: X1.1 -457.72,967.91 C19.1 -374.03,905 ; -373.98,905 cw(c-373.94,863.64) -343.82,891.99 cw(c-348.2,887.89) -342.54,889.88 ; -342.53,889.85 ccw(c-216.93,933.28) -318.73,847.85 ccw(c-250.91,904.76) -303.53,833.56 ccw(c-261.02,889.35) -261.15,819.21 -249.03,819.21 U5.6
PA5: R33.2 U5.21 | length 93.6
  Top Layer w6: v1(-76,608) -76,603.67 -68.9,596.57 U5.21
  Bottom Layer w6: v1(-76,608) -75.86,608.14 -75.86,641.85 R33.2
pADC1: C7.1 R30.1 R34.2 U5.8 | length 281.4
  Top Layer w6: U5.8 -132.16,779.84 -106,806 v2(-106,836)
  Bottom Layer w6: v2(-106,836) -105.86,836.14 -73.14,836.14 C7.1 R34.2 R30.1@20.96,836.29
pADC2: C8.1 R23.1 R24.1 R31.1 R35.2 | length 207.8
  Bottom Layer w6: R24.1 -96.54,736 -78.84,753.7 -78.84,755.41 C8.1@-73.97,760.29 ; R23.1 -93.71,782 -78.84,767.13 -78.84,765.16 C8.1@-73.97,760.28 ; R31.1 R35.2 -27.71,760.28 C8.1@-73.97,760.28
pADC4: C9.1 R32.1 R36.2 U5.14 | length 277.8
  Top Layer w6: U5.14 -68.48,661.73 -48,682.22 v2(-48,684)
  Bottom Layer w6: C9.1 R32.1@23.98,684.27
PB13: R28.1 U5.34 | length 132.8
  Top Layer w6: U5.34 257.95,642.05 265,635 265,590 275,580 R28.1
PB15: R27.1 U5.36 | length 127.5
  Top Layer w6: U5.36 268.58,681.42 275,675 275,635 285,625 R27.1
PC01: R23.2 U5.9 | length 204
  Top Layer w6: v1(-282,782) -282,778.22 -263.94,760.16 U5.9
  Bottom Layer w6: v1(-282,782) R23.2
PC03: R24.2 U5.11 | length 199.7
  Top Layer w6: v1(-282,720.1) -281.66,720.44 -219.85,720.44 U5.11
  Bottom Layer w6: v1(-282,720.1) -281.26,720.1 -265.37,736 R24.2
PC06: R26.1 U5.37 | length 104.2
  Top Layer w6: U5.37 288.9,701.1 300.25,689.75 R26.1
PC07: R25.1 U5.38 | length 81.1
  Top Layer w6: U5.38 298.46,720.79 R25.1
PC12: R14.1 U5.53 | length 71.2
  Top Layer w6: U5.53 68.9,1058.14 R14.1
pLED1: D1.C U5.30 | length 760.3
  Top Layer w6: U5.30 108.27,602.27 v1(126,620) ; D1.C@591.73,494 v1(623,494)
  Bottom Layer w6: v1(126,620) 104,598 104,538 152,490 390,490 416,464 593,464 v1(623,494)
pLED2: D2.C U5.29 | length 829.4
  Top Layer w6: U5.29 88.58,621.58 v1(109,642) ; D2.C@586.61,418 v1(623,418)
  Bottom Layer w6: v1(109,642) 92,625 92,534 150,476 382,476 408,450 591,450 v1(623,418)
tNRST: P1.10 R2.1 R5.2 R16.2 R51.2 | length 691
  Top Layer w10: v1(-192.16,130.25) R51.2 R16.2
  Bottom Layer w10: R5.2 -480.27,336.02 -480.25,240.25 -396,156 -217.91,156 v1(-192.16,130.25) -192.16,-9.16 P1.10
tRXD: P1.7 R15.2 R46.1 R53.2 | length 247.8
  Top Layer w10: P1.7 -95,91 -72,114 R15.2 R46.1 R53.2
tTCK: P1.4 R10.2 R37.2 R48.2 | length 1177.5
  Top Layer w10: v1(-304,94) -232,94 -216,110 R10.2 ; R48.2 266.87,133.12 268.84,133.12 275.42,139.7 285.7,139.7 v1(288,142) 290.3,139.7 300.57,139.7 310.03,130.25 R37.2
  Bottom Layer w10: v1(-304,94) -304,-52 -238,-118 94,-118 105,-107 P1.4 105,90.14 110.86,96 270,96 288,114 v1(288,142)
tTDI: P1.8 R7.2 R20.2 R50.2 | length 701.1
  Top Layer w10: R50.2 74.87,133.12 76.84,133.12 83.42,139.7 95.7,139.7 v1(98,142) 100.3,139.7 108.57,139.7 118.03,130.25 R7.2 ; R20.2 362.87,133.12 371.88,133.12 378.75,140 v1(382,140)
  Bottom Layer w10: P1.8 -95,89 -42,142 v1(98,142) 118,162 360,162 v1(382,140)
tTDO: P1.6 R6.2 R49.2 | length 377.2
  Top Layer w10: R6.2 170.87,133.12 172.84,133.12 179.42,139.7 189.7,139.7 v1(192,142) 194.3,139.7 204.57,139.7 214.03,130.25 R49.2
  Bottom Layer w10: P1.6 5,101 22,118 172.16,118 179.23,125.07 179.23,125.98 192,138.75 v1(192,142)
tTMS: P1.2 R11.2 R29.2 R47.2 | length 983.7
  Top Layer w6: R29.2 R29.2@-359.88,130.12 ; v1@-334.12,130.12 v1(-334,130) -333.88,130.12 -312.13,130.12 R11.2
  Top Layer w10: R29.2@-359.88,130.12 v1@-334.12,130.12 ; R11.2 R47.2
  Bottom Layer w10: v1(-334,130) -334,-66 -254,-146 180,-146 205,-121 P1.2
tVREF: C26.1 P1.1 R38.2 R43.2 R52.2 | length 974
  Top Layer w10: P1.1 325.51,-12 326,-12.5 R52.2 ; C26.1 v1(326,10) R43.2
  GND w6: v1(326,10) 414,10 492,88 492,585.13 v1(467.71,609.42)
  Bottom Layer w6: v1@466,608 v1@466.14,607.86 ; v1(467.71,609.42) 467.71,606.29 474,600 R38.2
USB_N: J1.A7 J1.B7 U1.4 | length 363.8
  Top Layer w6: J1.A7 -9.84,1264.83 -22.96,1277.95 -20.34,1280.57 -20.34,1293.66 -12,1302 30,1302 40,1292 40,1271.09 29.53,1260.61 J1.B7
  Bottom Layer w6: U1.4 -41.4,1159.15 -19.75,1180.8 -19.14,1180.8 -10,1189.94 -10,1267.04 v1(-22.96,1280)
USB_P: J1.A6 J1.B6 U1.6 | length 325.8
  Top Layer w6: J1.B6 -29.53,1184.53 -25,1180 5,1180 10,1185 10,1222.91 J1.A6 9.84,1265.51 20,1275.67 v1(20,1280)
  Bottom Layer w6: v1(20,1280) 6,1266 6,1188 24.59,1169.41 24.59,1160.06 U1.6@32.4,1152.24
VBUS: F1.1 J1.A4 J1.A9 J1.B4 J1.B9 U1.5 | length 482.7
  Top Layer w20: J1.A9@-98,1232 -96,1230 -96,1181.53 -66.47,1152 v2(-4,1152) 74,1152 ; J1.B9@96,1234 96,1174 74,1152 ; F1.1 217.6,1121.97 187.57,1152 74,1152
VCC_TGT: C27.1 R2.2 R30.2 R46.2 R54.1 U2.8 U3.8 U4.8 U7.8 U8.8 U9.8 | length 525.1
  Top Layer w6: U8.8 -352.31,242.57 -352.31,279.48 -345.03,286.75 -331.25,286.75 v1(-330,288) ; U3.8@-197.01,247.36 -197.01,282.99 -188.14,291.86 -172.14,291.86 v1(-172,292) ; U4.8 -42.61,283.39 -34.14,291.86 -18.14,291.86 v1(-18,292) ; U2.8@112.99,247.36 112.99,282.99 121.86,291.86 137.86,291.86 v1@138,292 ; U9.8@266.99,247.36 266.99,282.99 275.86,291.86 291.86,291.86 v1@292,292 ; U7.8@422.99,247.36 422.99,282.99 431.86,291.86 447.86,291.86 v1@448,292
  Top Layer w10: R46.2 v1(-24,186)
  Bottom Layer w10: v1(-542,334) -541,335 -514.71,335 R2.2 ; R54.1 -317.59,508 C27.1 ; R30.2 v2(47.28,869.71)
  other v1: 138,290 292,290 448,290 -344.92,508
VOUT: P1.9 Q2.3 R32.2 | length 1478.8
  Top Layer w20: Q2.3 -433.91,94.63 -432.54,96 v1(-432,96) -320,-16 -199,-16 P1.9
  GND w6: v1(-432,96) -432,468 -394,506 -394,670 -326.9,737.1 30.89,737.1 v2(50.28,717.71)
  Bottom Layer w6: v2(50.28,717.71) v2@51,717
  Bottom Layer w10: R32.2 v2(50.28,717.71)
VREF: R43.1 U11.3 | length 1488.4
  Top Layer w6: R43.1 359.73,33.27 359.73,59.73 v1(360,60)
  GND w6: v1(-468,606) -468,550 -522,496 -522,122 -444,44 344,44 v1(360,60)
  Bottom Layer w15: v1(-468,606) U11.3@-468,639.84
pads on no net: J1.A8 J1.B8 J1.MH1 J1.MH2 K1.3 K1.4 K1.MH1 K1.MH2 U5.1 U5.2 U5.3 U5.4 U5.15 U5.20 U5.24 U5.26 U5.32 U5.42 U5.50 U5.51 U5.52 U5.54 U5.55 U5.56 U5.57 U5.58 U5.62 U10.3

## Polygon pours and split planes (outlines as drawn)
GND on Top Layer "GND" (solid, remove dead copper, pour order 53): -644.88,-27.3 -644.88,1346.28 cw(c-494.88,1346.28) -494.88,1496.28 504.33,1496.28 cw(c504.33,1346.28) 654.33,1346.28 654.33,-27.3 cw(c504.33,-27.3) 504.33,-177.3 -494.88,-177.3 cw(c-494.88,-27.3)
3V3_CORE on Top Layer "3V3_CORE" (solid, remove dead copper, pour order 52): 460,990 480,970 560,970 580,990 580,1205 550,1235 435,1235 410,1210 410,1160 460,1110
+5V on POWER "POWER-+5V" (solid, remove dead copper, pour order 55): -622,180 -580,138 -540,138 -518,160 -518,254 -576,312 -576,370 -554,392 -470,392 -444,418 -444,470 -408.37,505.63 -370,544 -282,544 -270,556 -270,584 -282,596 -398,596 -420,618 -420,700 -406,714 -348,714 -340,722 -340,742 -348,750 -406,750 -420,764 -420,818 -406,832 -250,832 -200,882 -200,1042 -89,1153 130,1153 219.94,1063.06 377.06,1063.06 430,1116 430,1176 384,1222 -397,1222 -622,997
3V3_CORE on POWER "3V3_CORE" (solid, remove dead copper, pour order 57): -649.61,-28 -649.61,1345.57 cw(c-499.61,1345.57) -499.61,1495.57 499.61,1495.57 cw(c499.61,1345.57) 649.61,1345.57 649.61,-28 cw(c499.61,-28) 499.61,-178 -499.61,-178 cw(c-499.61,-28)
VCC_TGT on POWER "VCC_TGT" (solid, remove dead copper, pour order 56): -418.64,270.64 -417.8,227.8 -332,142 410,142 470,202 470,450 282,638 160,638 140,658 140,890 128,902 42,902 30,890 30,862 40,852 68,852 82,838 82,716 -106,528 -356,528 -422.39,461.61 -421.23,402.77 -456,368 -538,368 -560,346 -560,326 -540,306 -454,306
GND on Bottom Layer "GND" (solid, remove dead copper, pour order 58): -649.61,-28 -649.61,1345.57 cw(c-499.61,1345.57) -499.61,1495.57 499.61,1495.57 cw(c499.61,1345.57) 649.61,1345.57 649.61,-28 cw(c499.61,-28) 499.61,-178 -499.61,-178 cw(c-499.61,-28)
GND on GND "GND" (solid, remove dead copper, pour order 54): -649.61,-28 -649.61,1345.57 cw(c-499.61,1345.57) -499.61,1495.57 499.61,1495.57 cw(c499.61,1345.57) 649.61,1345.57 649.61,-28 cw(c499.61,-28) 499.61,-178 -499.61,-178 cw(c-499.61,-28)

## Keep-outs
Keep-Out Layer:
  region: -484,1056 -484,954 -356,954 -356,1056
  region: 406,-178 406,38 -396,38 -396,-178

## Other copper
Top Layer:
  text "WWW.SEGGER.COM" at -560.52,831 h50 r90

## Silkscreen, mask and mechanical layers (free items; w line width, h text height)
Top Overlay:
  text "USB" at -425,1330.52 h50
  text "▶" at -320.93,1324.77 h100
  text "PORT" at 464.45,176.26 h50 r300
  text "▶" at 467.83,139.23 h100 r210
Bottom Overlay:
  lines w10: -250,241 250,241 ; -150,99 -150,469 ; -50,99 -50,469 ; 50,99 50,469 ; 150,99 150,469 ; -250,98 250,98 250,468 -250,468 -250,98
  text "3V3" at -487.33,1175.31 h30 r90
  text "DIO" at -441.06,1175.31 h30 r90
  text "CLK" at -394.81,1175.31 h30 r90
  text "GND" at -348.56,1175.31 h30 r90
  text "RST" at -302.31,1175.31 h30 r90
  text "TCK/CLK" at 113.44,448 h50 r90
  text "TMS/DIO" at 215.44,446 h50 r90
  text "TDI/TX" at -86.56,426 h50 r90
  text "NRST" at -186.52,412 h50 r90
  text "TDO" at 17.38,404 h50 r90
  text "VOUT" at -184.52,229.97 h50 r90
  text "VREF" at 214,227.97 h50 r90
  text "GND" at 15.48,222 h50 r90
  text "GND" at 119.48,220 h50 r90
  text "RXD" at -84,218 h50 r90
Top Solder:
  rectangle: -600,824 -553,1281
Mechanical 1:
  circle w10: c526,-60 r49.21
  circle w10: c-522,-60 r49.21
  circle w10: c-520,1360 r49.21
  circle w10: c525,1360 r49.21
  lines w10: -649.61,-28 ccw(c-499.61,-28) -499.61,-178 499.61,-178 ccw(c499.61,-28) 649.61,-28 649.61,1345.23 ccw(c499.61,1345.23) 499.61,1495.23 -499.61,1495.23 ccw(c-499.61,1345.23) -649.61,1345.23 -649.61,-28

## Dimensions
-649.61,1345.23 to 649.61,1345.23 on Mechanical 1
-499.61,-178 to -499.61,1495.23 on Mechanical 1